# Altium PCB Bus_Adaptor_Hw-v2.2-tvs_tft.PcbDoc (part 2 of 2)
Units mil, origin at the board's own origin, x right, y up, seen from the top; angles counter-clockwise.
Board outline 2005.19 x 1181.26 mil, 4 copper layers (Top Layer, Layer 1, Layer 2, Bottom Layer), stack 23.756 mil thick; 106 components, 118 nets, 571 pads, 403 vias.
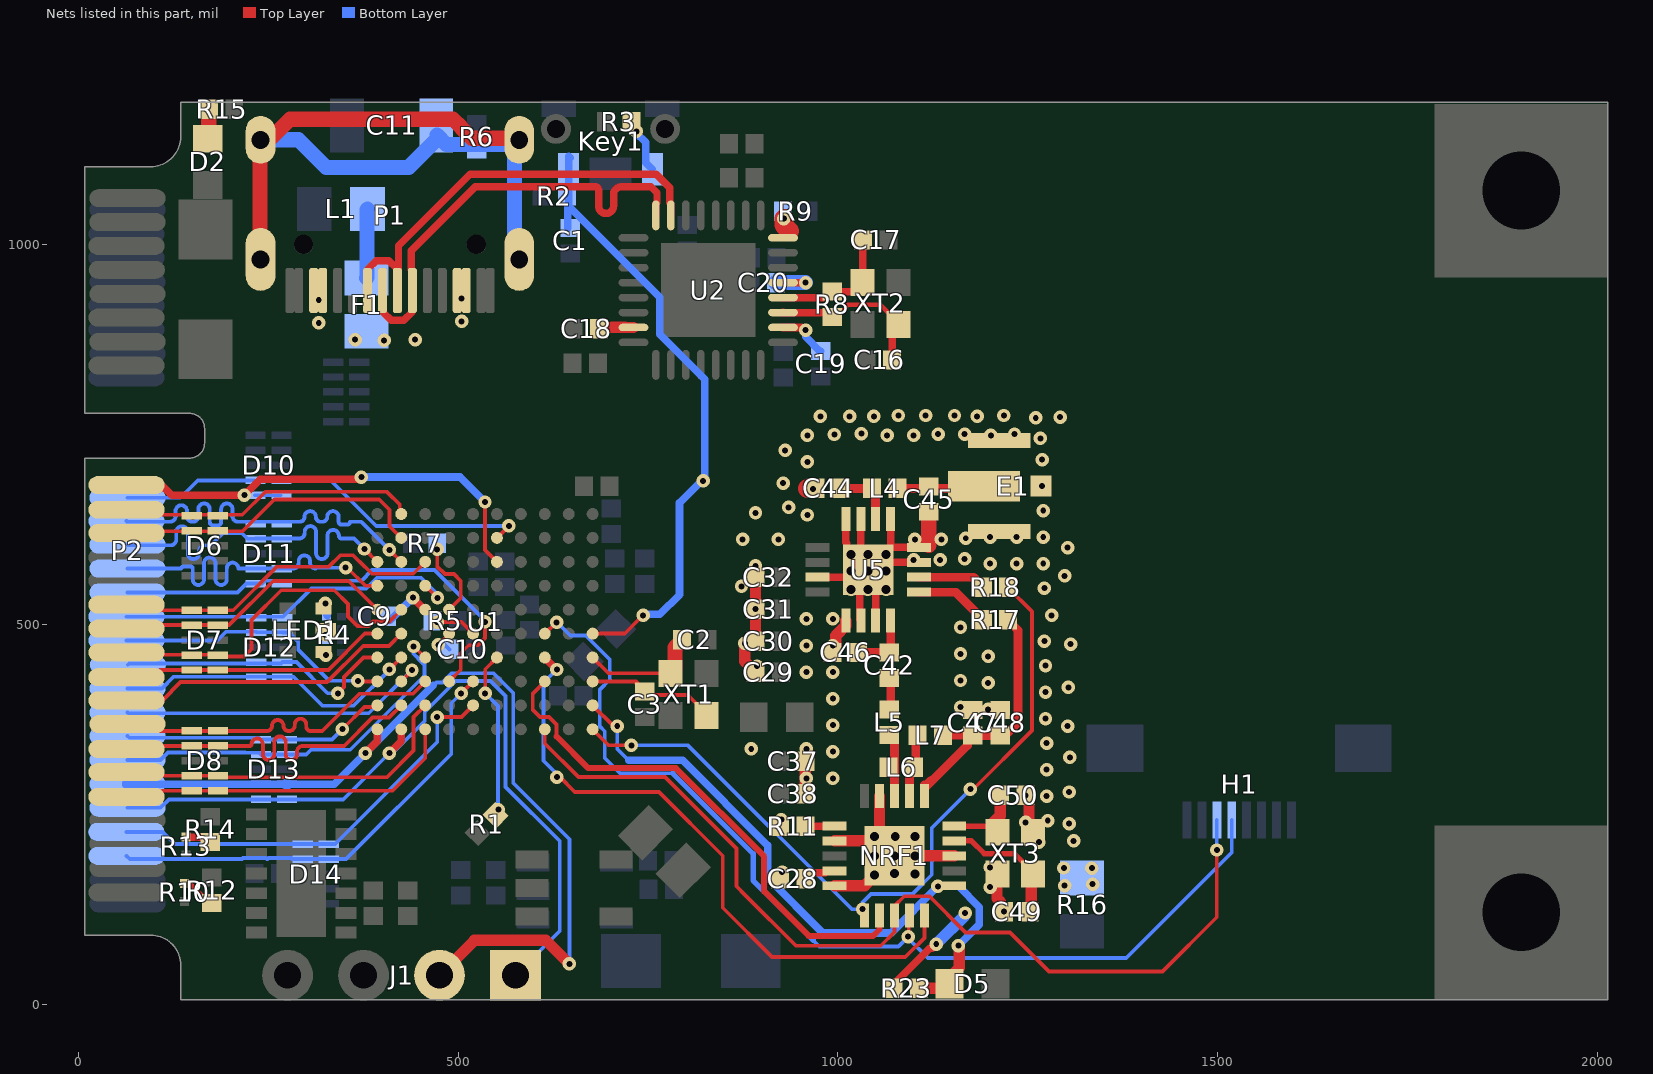
[diagram p4: the nets of this part, all layers, seen from the top]

## Via types
v1: diameter 17.72, hole 7.87, Top Layer to Bottom Layer, tented both sides, 367 vias
v2: diameter 17.72, hole 11.81, Top Layer to Bottom Layer, tented both sides, 36 vias

## Nets (pads, with @x,y where several pads share a name; then routed paths per layer and width w, separated by ;. In a path a pad name is that pad's centre, name@x,y a point inside that pad or via, vN(x,y) a via of type N, cw(c..) or ccw(c..) an arc to the next point about the centre after c; other vN are vias at no path point) (continued)
NetC1_2: C1.2 Key1.2 R2.2 U1.E1 | length 834.5
  Top Layer w5: U1.E1@677.17,488.19 719.4,488.19 v1(743.54,512.33)
  Bottom Layer w5: R2.2@641.54,1062.6 R2.2@643.28,1064.33
  Bottom Layer w10: C1.2@644.54,1022.07 644.54,1050.81 ; Key1.2@647.54,1114.7 645.57,1116.68 Key1.2@645.57,1099.51 645.57,1062.6 645.57,1050.81 765.54,930.83 765.54,882.06 824.54,823.06 824.54,693.33 791.54,660.33 791.54,539.64 765.71,513.81 745.02,513.81 v1(743.54,512.33)
  other v1: 822.5,689.23
NetC2_2: C2.2 U1.D1 XT1.1 | length 161.3
  Top Layer w5: U1.D1@677.17,456.69 697.88,435.97 779.61,435.97 XT1.1@779.92,435.66
  Top Layer w20: XT1.1@779.92,435.66 785.67,441.41 785.67,469.98 C2.2@794.96,479.27
NetC3_2: C3.2 U1.C1 XT1.3 | length 186.1
  Top Layer w5: U1.C1@677.17,425.2 732.41,425.2 C3.2@745.54,412.07 ; 734.54,425.2 746.61,413.13 752.41,407.33 802.35,407.33 827.16,382.52 XT1.3@827.16,380.55
NetC9_1: C9.1 U1.F8 | length 64.8
  Top Layer w10: v1(440.56,535.43) 456.31,519.69 U1.F8@456.69,519.69
  Bottom Layer w10: C9.1@410.68,505.93 440.18,535.43 v1(440.56,535.43)
NetC10_2: C10.2 U1.E7 | length 33.9
  Top Layer w5: v1@477.89,477.51 488.19,487.81 U1.E7@488.19,488.19
  Bottom Layer w5: v1(474.12,473.36) 478.51,473.36 480.65,471.22 482.79,473.36 484.14,472 C10.2@488.81,467.33
NetC11_2: C11.2 P1.1 P1.2 P1.3 P1.4 R6.2 | length 1104.8
  Top Layer w20: P1.4@239.28,953.07 P1.1@239.28,1142.33 ; P1.1@239.99,1138.33 239.99,1126.69 278.63,1165.33 493.38,1165.33 503.69,1155.03 503.69,1154.45 517.66,1140.47 578.4,1140.47 P1.2@580.54,1138.33 587.04,1144.83 P1.2@584.41,1147.46
  Bottom Layer w20: P1.1@239.99,1138.33 289.99,1138.33 326.42,1101.9 434.96,1101.9 472.21,1139.14 472.21,1144.5 484.45,1132.25 574.46,1132.25 P1.3@574.46,984.77
NetC16_2: C16.2 R8.1 U2.27 XT2.1 | length 223.2
  Top Layer w6: R8.1@992.68,904.86 1001.5,913.67 1006.04,913.67 1013.38,921.01 1055.94,921.01 1079.68,897.27 XT2.1@1079.68,895.3
  Top Layer w10: U2.27@927.79,910.91 927.87,910.83 986.71,910.83 R8.1@992.68,904.86 ; C16.2@1071.42,848.44 1071.42,887.03 XT2.1@1079.68,895.3
NetC17_2: C17.2 R8.2 U2.28 XT2.3 | length 169.9
  Top Layer w10: U2.28@927.79,930.6 983.98,930.6 991.7,938.32 R8.2@992.68,938.32 1021.7,938.32 1032.44,949.07 XT2.3@1032.44,950.42 1032.95,950.92 C17.2@1032.95,1006.42
NetC18_2: C18.2 U2.15 | length 46.4
  Top Layer w5: C18.2@685.54,889.33 C18.2@687.44,891.23
  Top Layer w15: C18.2@687.44,891.23 702.89,891.23 703.12,891.46 719.69,891.46 719.93,891.23 U2.15@730.94,891.23
NetC19_2: C19.2 U2.26 | length 67.7
  Top Layer w10: U2.26@927.79,891.23 927.87,891.15 952.16,891.15 955.46,887.86 v1(957.54,887.86)
  Bottom Layer w10: v1(957.54,887.86) 957.54,878.89 976.37,860.07 C19.2@977.35,860.07
NetC20_2: C20.2 U2.29 | length 69
  Top Layer w10: U2.29@927.79,950.28 v1@957.52,950.31
  Bottom Layer w20: C20.2@918.28,950.33 v1(957.54,950.33)
NetC28_1: C28.1 NRF1.19 | length 43.5
  Top Layer w10: C28.1@957.28,165.33 957.28,166.32 964.09,173.13 983.18,173.13 985.96,175.91 NRF1.19@995.8,175.91
NetC42_1: C42.1 C46.2 U5.4 | length 83.4
  Top Layer w11.55: C46.2@1028.28,463.59 1028.41,463.46 1069.41,463.46 1069.54,463.33 U5.4@1069.54,505.33
NetC42_2: C42.2 L5.2 | length 41.9
  Top Layer w11.55: L5.2@1068.54,388.33 1069.54,389.33 C42.2@1069.54,429.86
NetC44_2: C44.2 L4.1 U5.10 | length 82.8
  Top Layer w11.55: C44.2@1004.28,679.33 L4.1@1044.81,679.33 1049.73,674.42 1049.73,639.32 U5.10@1049.86,639.19
NetC45_2: C45.2 E1.1 L4.2 | length 115.5
  Top Layer w11.55: L4.2@1078.28,679.33 1189.54,679.33 E1.1@1192.54,682.33
NetC47_2: C47.2 C48.2 L7.2 NRF1.11 R17.2 | length 369.5
  Top Layer w11.55: NRF1.11@1113.91,274.33 NRF1.11@1113.91,284.18 ; 1122.86,295.07 1116.55,288.76 1113.91,288.76 NRF1.11@1113.91,284.18 ; L7.2@1138.28,354.59 1138.64,354.23 1177.18,354.23 C47.2@1177.54,353.86 ; R17.2@1224.28,506.33 1224.28,505.35 1237.11,492.51 1237.11,371.05 1219.92,353.86 C48.2@1213.54,353.86 C47.2@1177.54,353.86 ; NRF1.11@1113.91,284.18 1170.52,340.79 1170.52,347.83 1176.56,353.86 C47.2@1177.54,353.86
NetC49_2: C49.2 NRF1.9 XT3.1 | length 174.6
  Top Layer w7: NRF1.9@1153.28,215.28 1175.87,215.28 1192.81,198.33 1232.39,198.33 1257.16,173.56 XT3.1@1257.16,171.59
  Top Layer w15: C49.2@1252.28,122.15 1254.72,124.59 1254.72,169.15 XT3.1@1257.16,171.59
NetC50_2: C50.2 NRF1.10 XT3.3 | length 103.9
  Top Layer w7: NRF1.10@1153.28,234.96 1153.54,234.71 1209.92,234.71 XT3.3@1209.92,226.71
  Top Layer w15: XT3.3@1204.92,239.71 1213.81,248.6 C50.2@1213.81,275.15
NetD2_A: D2.A R15.2 | length 39.2
  Top Layer w10: D2.A@170.54,1139.65 D2.A@171.81,1140.92
  Top Layer w20: D2.A@171.81,1140.92 R15.2@171.81,1178.33
NetF1_1: F1.1 L1.2 | length 91.5
  Bottom Layer w20: F1.1@379.54,956.37 380.14,956.96 380.14,1046.74 L1.2@380.73,1047.33
NetF1_2: F1.2 P1.A4 P1.A9 P1.B4 P1.B9
  other v1: 402.54,874.33 364.54,875.33 443.54,875.33 316.54,897.33 504.54,899.33 316.54,927.33 504.54,929.33
NetKey1_1: Key1.1 R3.1 | length 74.2
  Top Layer w10: R3.1@728.28,1162.33 733.22,1157.39 733.22,1150.81 v1(734.7,1149.33)
  Bottom Layer w10: v1(734.7,1149.33) 734.7,1147.24 747.02,1134.92 747.02,1108.29 Key1.1@755.8,1099.51
NetL5_1: L5.1 L6.2 NRF1.13 | length 83
  Top Layer w11.55: L5.1@1068.54,354.86 1074.41,348.99 1074.41,274.47 NRF1.13@1074.54,274.33
NetL6_1: L6.1 L7.1 NRF1.12 | length 85.7
  Top Layer w11.55: NRF1.12@1094.23,274.33 1094.23,303.49 1102.28,311.54 L6.1@1102.28,312.52 ; L6.1@1100.28,312.33 1102.54,314.6 1102.54,352.33 L7.1@1104.81,354.59
NetLED1_1: LED1.1 R4.4 | length 33.8
  Top Layer w5: LED1.1@325.4,519.88 322.83,522.44 325.4,525.01 v1(325.4,527.98)
  Bottom Layer w10: v1(325.4,527.98) 325.4,518.06 327.86,520.52 R4.4@327.86,512.77 ; R4.4@327.86,512.77 327.86,512.07 327.17,512.77 R4.4@327.86,512.77
NetLED1_3: LED1.3 R4.2 R4.3
  other v1: 325.54,486.33
NetLED1_5: LED1.5 R4.1
  other v1: 325.79,459.96
NetNRF1_16: NRF1.16 R11.1 | length 38.8
  Top Layer w10: R11.1@957.28,234.33 957.59,234.65 995.49,234.65 NRF1.16@995.8,234.96
NetR1_2: R1.2 U1.D5 | length 213.8
  Top Layer w5: v1(535.69,409.59) 535.69,441.2 U1.D5@551.18,456.69
  Bottom Layer w5: v1(535.69,409.59) 552.54,392.74 552.54,256.93 v1(553.01,256.46)
NetR5_2: R5.2 U1.E6 | length 53.6
  Top Layer w5: v1(472.54,503.33) 472.77,503.56 504.31,503.56 U1.E6@519.69,488.19
NetR7_2: R7.2 U1.F7 | length 105.8
  Top Layer w5: v1(472.44,599.19) 472.44,576.68 482.57,566.56 494.56,566.56 503.56,557.55 503.56,535.06 U1.F7@488.19,519.69
NetR9_2: R9.2 U2.32 | length 42.3
  Top Layer w5: U2.32@927.79,1009.34 936.62,1018.16
  Top Layer w25: v1(928.79,1034.67) 928.79,1025.99 936.62,1018.16
  Bottom Layer w5: R9.2@927.81,1044.33 928.79,1043.36 v1(928.79,1034.67)
NetR10_2: R10.2 R12.1 | length 46.6
  Top Layer w7: R10.2@139.54,159.23 146.76,159.23 172.38,133.6 R12.1@175.54,133.6
NetR13_2: R13.2 R14.1 | length 34.8
  Top Layer w5: R14.1@166.81,220.33 R14.1@173.54,213.6
  Top Layer w10: R13.2@141.54,220.33 R14.1@166.81,220.33
NetR17_1: R17.1 U5.5 | length 99.5
  Top Layer w11.55: U5.5@1106.95,542.73 1155.39,542.73 1190.81,507.32 R17.1@1190.81,506.33
NetR18_2: R18.2 U5.6 | length 89.9
  Top Layer w11.55: U5.6@1106.95,562.42 1178.71,562.42 1190.81,550.32 R18.2@1190.81,549.33
PC14: NRF1.1 R18.1 U1.A1 | length 1026.8
  Top Layer w5: U1.A1@677.17,362.2 698.28,341.09 v1(728.04,341.09) ; NRF1.1@1035.17,111.86 NRF1.1@1035.17,116.85 NRF1.1@1038.58,120.26 ; v1(1174.54,283.33) 1178.23,283.33 1255.54,360.65 1255.54,517.08 1224.28,548.35 R18.1@1224.28,549.33
  Bottom Layer w5: v1(728.04,341.09) 802.79,341.09 1018.54,125.33 v1(1032.44,125.33) 1032.44,134.23 1043.54,145.33 1098.28,145.33 1123.54,170.59 1123.54,232.33 v1(1174.54,283.33)
PC15: D5.A NRF1.6 R23.2 U1.B1 | length 874.2
  Top Layer w5: U1.B1@680.14,393.7 U1.B1@677.17,393.7 704.54,366.33 v1(709.54,366.33)
  Top Layer w15: R23.2@1106.95,21.33 1137.23,21.33 1142.23,26.33 1142.23,30.33 1160.04,48.15 1160.04,75.83 v1(1158.54,77.33)
  Bottom Layer w5: v1(709.54,366.33) 709.54,336.45 724.66,321.33
  Bottom Layer w10: 724.66,321.33 795.54,321.33 907.69,209.19 907.69,166.52 980.2,94 1070.21,94 v1(1131.54,155.33) 1159.21,155.33 1186.4,128.14 1186.4,105.19 v1(1158.54,77.33)
RFGND: C28.2 C29.1 C30.1 C31.1 C32.1 C37.1 C38.1 C44.1 C45.1 C46.1 C47.1 C48.1 C49.1 C50.1 E1.2 NRF1.0 NRF1.8 NRF1.14 NRF1.17 NRF1.20 R11.2 R16.1 R23.1 U5.0 U5.1 U5.2 U5.3 U5.7 U5.8 U5.9 U5.11 U5.12 U5.15 XT3.2 XT3.4 | length 1443.1
  Top Layer w10: U5.15@973.09,562.42 U5.0@1027.61,562.42 ; U5.12@1010.49,639.19 1010.49,608.44 1011.55,607.38 1011.55,600.73 U5.0@1030.17,582.1 ; U5.0@1028.89,561.14 1028.89,506.61 U5.2@1030.17,505.33 ; U5.11@1030.17,639.19 U5.0@1030.17,582.1 ; U5.0@1031.08,563.32 U5.0@1040.02,572.26 ; U5.3@1049.86,505.33 1049.86,562.42 U5.0@1040.02,572.26 ; U5.9@1069.54,639.19 U5.0@1069.54,601.79 ; R23.1@1073.48,21.33 1073.48,26.62 1120.87,74.01 1124.22,74.01 v1(1129.54,79.33) ; U5.7@1106.95,582.1 U5.0@1049.86,582.1 ; U5.8@1119.54,604.55 1116.79,601.79 U5.8@1106.95,601.79 U5.0@1069.54,601.79 ; C47.1@1177.54,387.33 1197.89,387.33 C48.1@1213.54,387.33 ; U5.0@1030.17,582.1 U5.0@1040.02,572.26 ; U5.0@1040.02,572.26 U5.0@1049.86,582.1 ; U5.0@1049.86,582.1 U5.0@1069.54,601.79
  Top Layer w15: C29.1@891.81,437.33 877.54,451.6 v1(877.54,475.33) 888.81,475.33 C30.1@891.81,478.33 891.54,478.6 v1(891.54,520.33) 891.54,562.07 C32.1@891.81,562.33 ; R11.2@923.81,234.33 922.54,233.07 921.54,234.07 925.54,238.07 v1(925.54,243.33) ; C38.1@957.28,277.33 C37.1@957.28,320.33 957.43,320.49 957.43,335.18 v1(958.59,336.33) ; C46.1@992.81,463.33 997.12,467.64 997.12,485.31 1010.49,498.68 U5.1@1010.49,505.33 ; NRF1.20@995.8,156.22 1035.17,156.22 v2(1074.54,195.59) ; NRF1.17@995.8,215.28 NRF1.0@1054.86,215.28 ; NRF1.14@1054.86,274.33 NRF1.0@1054.86,215.28 ; NRF1.8@1153.28,195.59 v2(1074.54,195.59) ; XT3.4@1209.92,171.59 1209.92,179.59 1209.5,180.02 1209.5,139.46 1213.81,135.15 ; v1(1247.28,275.15) 1251.59,270.84 1251.59,232.29 XT3.2@1257.16,226.71 ; NRF1.0@1054.86,215.28 v2(1074.54,195.59)
  Top Layer w20: U5.8@1119.54,604.55 C45.1@1119.54,648.6
  Top Layer w25: C44.1@959.98,679.33 C44.1@970.81,679.33
  Bottom Layer w15: v1(1129.54,79.33) 1167.02,116.81 1167.02,119.81 v1(1167.54,120.33)
  other v1: 1218.81,122.15 1200.54,154.33 1298.54,156.33 1335.54,158.33 926.54,174.33 1297.54,179.59 1334.54,179.33 1200.54,180.33 1264.54,213.6 1310.54,215.33 1304.54,238.07 1247.28,239.71 1276.35,242.02 1274.87,274.14 1304.54,279.63 958.54,297.7 993.5,297.7 1274.87,309.1 1305.54,325.33 993.5,332.66 885.97,336.29 1274.87,344.06 1302.54,366.33 993.5,367.62 1273.39,376.17 1197.89,388.33 1161.49,391.49 993.5,402.58 1273.39,411.14 1303.54,417.33 1197.89,423.29 1161.49,426.45 958.54,437.54 993.5,437.54 893.54,445.33 1273.39,446.1 1197.89,458.25 1161.49,461.41 958.54,472.5 993.5,472.5 1306.54,474.33 1271.91,478.21 1161.49,496.37 958.54,507.46 993.5,507.46 1281.54,512.33 1271.91,548.14 873.14,550.32 1298.54,564.33 891.54,577.29 1200.5,580.25 1235.47,580.25 1270.43,580.25 1099.83,585.21 1134.79,585.21 1166.91,586.69 1302.54,601.33 874.54,612.33 921.54,612.25 1101.31,612.25 1136.27,612.25 1168.39,613.73 1200.5,615.21 1235.47,615.21 1270.43,615.21 959.98,644.37 891.54,647.21 1270.43,650.17 935.29,654.33 967.54,678.49 1268.95,682.29 927.87,686.33 959.98,714.29 1268.95,717.25 930.54,729.33 1266.54,745.33 959.98,749.25 1064.87,749.25 1099.83,749.25 1201.39,749.25 995.54,750.33 1131.95,750.73 1166.91,750.73 1232.54,750.73 1031.08,751.33 1260.54,772.33 1292.54,773.33 977.04,774.33 1015.54,774.33 1047.54,774.33 1183.23,774.33 1079.54,775.33 1115.54,775.33 1153.54,775.33 1218.54,775.33
  other v2: 1048.54,170.33 1101.54,171.73 1074.54,172.33 1048.54,195.33 1101.54,195.33 1048.54,221.33 1075.54,221.04 1101.54,221.33 1017.54,546.33 1039.54,546.33 1063.64,546.33 1017.54,570.33 1039.54,570.33 1063.54,570.33 1017.54,592.6 1039.54,592.6 1063.64,592.6
SPI2_MISO: D11.4 D11.7 P2.22 U1.H10 | length 504.6
  Top Layer w5: v1@376.74,599.59 U1.H10@393.7,582.68
  Bottom Layer w5: P2.22@64.68,605.27 65.4,604.55 121.54,604.55 ccw(c121.54,612.05) 129.04,612.05 129.04,622.12 cw(c136.54,622.12) 136.54,629.62 cw(c136.54,622.12) 144.04,622.12 144.04,604.55 144.04,593.77 ccw(c151.54,593.77) 151.54,586.27 ccw(c151.54,593.77) 159.04,593.77 159.04,597.05 cw(c166.54,597.05) 166.54,604.55 174.04,604.55 174.72,604.55 190.86,620.69 215.19,620.69 222.85,613.02 D11.4@233.42,613.02 ; D11.4@233.42,613.33 260.54,613.33 268.04,613.33 283.04,613.33 290.54,613.33 ccw(c290.54,620.83) 298.04,620.83 298.04,622.19 cw(c305.54,622.19) 305.54,629.69 cw(c305.54,622.19) 313.04,622.19 313.04,613.33 313.04,593.77 ccw(c320.54,593.77) 320.54,586.27 ccw(c320.54,593.77) 328.04,593.77 328.04,613.33 328.04,617.2 cw(c335.54,617.2) 335.54,624.7 cw(c335.54,617.2) 343.04,617.2 ccw(c346.91,617.2) 346.91,613.33 358.04,613.33 362.95,613.33 v1(376.69,599.59)
SPI2_MOSI: D11.2 D11.9 P2.24 U1.G10 | length 470.1
  Top Layer w5: v1(352,575) 354.13,575 377.95,551.18 U1.G10@393.7,551.18
  Bottom Layer w5: P2.24@64.68,573.77 128.04,573.77 135.54,573.77 cw(c138.41,573.77) 138.41,576.64 147.67,576.64 cw(c147.67,573.77) 150.54,573.77 150.54,559.77 ccw(c158.04,559.77) 158.04,552.27 ccw(c158.04,559.77) 165.54,559.77 165.54,573.77 165.54,581.01 cw(c173.04,581.01) 173.04,588.51 cw(c173.04,581.01) 180.54,581.01 180.54,573.77 180.54,559.77 ccw(c188.04,559.77) 188.04,552.27 ccw(c188.04,559.77) 195.54,559.77 195.54,573.77 195.54,574.13 cw(c203.04,574.13) 203.04,581.63 cw(c203.04,574.13) 210.54,574.13 210.54,573.77 225.54,573.77 240.54,573.77 251.54,573.77 282.67,573.77 ccw(c282.67,581.27) 290.17,581.27 290.17,583.69 cw(c297.67,583.69) 297.67,591.19 cw(c297.67,583.69) 305.17,583.69 305.17,581.27 ccw(c312.67,581.27) 312.67,573.77 313.9,575 v1(352,575)
SPI2_NSS: D11.5 D11.6 P2.20 U1.H9 | length 536.6
  Top Layer w5: v1(409.55,598.42) 425.2,582.77 U1.H9@425.2,582.68
  Bottom Layer w5: P2.20@63.53,636.49 64.69,635.33 120.54,635.33 ccw(c120.54,642.83) 128.04,642.83 128.04,649.66 cw(c135.54,649.66) 135.54,657.16 cw(c135.54,649.66) 143.04,649.66 143.04,642.83 ccw(c150.54,642.83) 150.54,635.33 ccw(c150.54,642.83) 158.04,642.83 158.04,651.97 cw(c165.54,651.97) 165.54,659.47 cw(c165.54,651.97) 173.04,651.97 173.04,635.33 ccw(c177.69,635.33) 177.69,630.69 183.4,630.69 ccw(c183.4,635.33) 188.04,635.33 188.04,651.97 cw(c195.54,651.97) 195.54,659.47 cw(c195.54,651.97) 203.04,651.97 203.04,642.83 ccw(c210.54,642.83) 210.54,635.33 218.04,635.33 220.54,635.33 279.54,635.33 282.73,635.33 291.09,635.33 ccw(c291.09,641.97) 297.73,641.97 cw(c305.23,641.97) 305.23,649.47 cw(c305.23,641.97) 312.73,641.97 ccw(c319.37,641.97) 319.37,635.33 321.09,635.33 ccw(c321.09,641.97) 327.73,641.97 cw(c335.23,641.97) 335.23,649.47 cw(c335.23,641.97) 342.73,641.97 342.73,635.33 ccw(c346.33,635.33) 346.33,631.73 354.13,631.73 ccw(c354.13,635.33) 357.73,635.33 365.23,635.33 372.64,635.33 v1(409.55,598.42)
SPI2_SCK: D11.1 D11.10 P2.26 U1.C7 | length 617.3
  Top Layer w5: U1.C7@488.19,425.2 503.56,440.57 503.56,462.31 514.07,472.81 526.05,472.81 535.43,482.19 v1(535.43,503.67)
  Bottom Layer w5: P2.26@64.68,542.27 209.57,542.27 221.26,553.96 D11.1@233.42,553.96 241.88,553.96 245.57,557.65 372.65,557.65 386.79,571.79 469.03,571.79 535.43,505.39 v1(535.43,503.67)
SPI3_MISO: D8.2 D8.9 P2.41 U1.B8 | length 461.1
  Top Layer w5: P2.41@63.53,305.78 68.35,300.96 D8.9@149.54,300.96 D8.2@183.79,300.96 185.78,298.97 406.22,298.97 441.32,334.08 441.32,378.33 U1.B8@456.69,393.7
SPI3_MOSI: D8.5 D8.6 P2.37 U1.C8 | length 459.5
  Top Layer w5: P2.37@64.68,369.05 91.51,369.05 100.54,360.01 D8.6@149.54,360.01 D8.5@183.79,360.01 247.54,360.01 248.11,360.01 ccw(c248.11,366.95) 255.04,366.95 cw(c262.54,366.95) 262.54,374.45 cw(c262.54,366.95) 270.04,366.95 ccw(c276.98,366.95) 276.98,360.01 277.54,360.01 ccw(c277.54,367.51) 285.04,367.51 285.04,368.68 cw(c292.54,368.68) 292.54,376.18 cw(c292.54,368.68) 300.04,368.68 300.04,365.51 ccw(c305.54,365.51) 305.54,360.01 321.09,360.01 370.15,409.07 440.57,409.07 U1.C8@456.69,425.2
SPI3_NSS: D8.1 D8.10 P2.43 U1.A8 | length 452.3
  Top Layer w5: P2.43@63.53,273.3 87.42,273.3 95.4,281.27 D8.10@149.54,281.27 D8.1@183.79,281.27 413.79,281.27 456.69,324.18 U1.A8@456.69,362.2
SPI3_SCK: D8.4 D8.7 P2.39 U1.B9 | length 474
  Top Layer w5: P2.39@63.53,336.29 101.5,336.29 105.54,340.33 D8.7@149.54,340.33 220.47,340.33 225.79,340.33 ccw(c225.79,342.51) 227.97,342.51 cw(c235.47,342.51) 235.47,350.01 cw(c235.47,342.51) 242.97,342.51 242.97,340.33 242.97,329.33 ccw(c250.47,329.33) 250.47,321.83 ccw(c250.47,329.33) 257.97,329.33 257.97,340.33 257.97,345.39 cw(c265.47,345.39) 265.47,352.89 cw(c265.47,345.39) 272.97,345.39 272.97,340.33 272.97,329.33 ccw(c280.47,329.33) 280.47,321.83 ccw(c280.47,329.33) 287.97,329.33 287.97,332.83 cw(c295.47,332.83) 295.47,340.33 301.54,340.33 350.09,340.33 387.33,377.58 409.07,377.58 U1.B9@425.2,393.7
SPI4_MISO: NRF1.5 U1.D3 | length 833.6
  Top Layer w5: U1.D3@613.9,456.41 U1.D3@614.17,456.69 ; v1@629.37,440.94 v1(629.92,440.94) ; v1(629.92,299.21) 633.98,299.21 653.59,279.6 764.65,279.6 848.54,195.7 848.54,127.2 913.41,62.33 1088.78,62.33 1113.91,87.47 NRF1.5@1113.91,109.47
  Top Layer w10: U1.D3@613.9,456.41 v1@629.37,440.94
  Bottom Layer w5: v1(629.92,299.21) 629.92,303.27 612.5,320.69 612.5,423.52 v1(629.92,440.94)
SPI4_MOSI: H1.4 NRF1.4 U1.E3 | length 1345.6
  Top Layer w5: U1.E3@614.17,488.19 614.55,488.19 629.46,503.09 v1(629.84,503.09) ; v1(1092.54,89.23) 1093.39,90.08 1093.39,116.01 NRF1.4@1094.23,116.85
  Bottom Layer w5: v1(629.84,503.09) 630.12,503.09 647.56,485.65 667.97,485.65 699.65,453.97 699.65,427.36 686.4,414.11 686.4,366.34 693.19,359.55 693.19,324.31 713.17,304.33 782.54,304.33 ; 967.54,84.33 975.54,76.33 1079.64,76.33 v1(1092.54,89.23) 1092.54,87.2 1118.77,60.97 1379.76,60.97 1518.61,199.83 H1.4@1518.61,242.79
  Bottom Layer w7: 782.54,304.33 888.54,198.33 888.54,163.33 967.54,84.33
SPI4_NSS: NRF1.2 U1.C3 | length 681.4
  Top Layer w5: U1.C3@614.17,425.2 598.43,409.45 598.43,387.71 607.81,378.33 619.79,378.33 629.55,368.57 629.55,352.83
  Top Layer w8: 629.55,352.83 671.19,311.19 786.62,311.19 903,194.81 903,148.81 961.48,90.33 1046.54,90.33 1054.86,98.65 NRF1.2@1054.86,116.85
SPI4_SCK: H1.3 NRF1.3 U1.A3 | length 1288.4
  Top Layer w5: U1.A3@614.17,362.2 614.17,343.56 658.4,299.33 772.54,299.33 866.54,205.33 866.54,155.47 878.58,143.43 944.68,77.33 1056.54,77.33 1074.54,95.33 NRF1.3@1074.54,116.85 1074.54,129.43 1087.45,142.33 1120.7,142.33 1168.2,94.83 1226.49,94.83 1277.99,43.33 1427.54,43.33 1498.93,114.72 v1(1498.93,203.28)
  Bottom Layer w5: v1(1498.93,203.28) H1.3@1498.93,242.79
SWCLK: D13.1 D13.10 J1.1 P2.44 U1.A9 | length 1041.7
  Top Layer w10: v1(409.45,330.71) 425.2,346.46 U1.A9@425.2,362.2
  Bottom Layer w5: P2.44@64.68,258.81 108.07,258.81 119.23,269.96 D13.1@240.42,269.96 D13.10@274.67,269.96 348.7,269.96 v1(409.45,330.71) 413.77,330.71 456.19,373.13 456.19,385.11 497.03,425.95 542.47,425.95 562.54,405.88 562.54,286.33 633.86,215.02 633.86,96.65 J1.1@575.54,38.33
SWDIO: D13.2 D13.9 J1.2 P2.42 U1.A10 | length 1207.7
  Top Layer w10: v1(377.95,330.74) 393.7,346.49 U1.A10@393.7,362.2
  Top Layer w15: J1.2@475.54,38.33 521.51,84.3 615.58,84.3 v1(646.54,53.33)
  Bottom Layer w5: 467.54,420.33 471.2,423.97 479.32,423.97 491.3,435.95 546.61,435.95 572.54,410.02 572.54,291.33 646.54,217.33 v1(646.54,53.33)
  Bottom Layer w10: P2.42@65.01,289.98 240.42,289.98 D13.9@274.34,289.98 ; D13.9@274.67,289.65 336.86,289.65 v1(377.95,330.74) 467.54,420.33
  Bottom Layer w15: P2.42@64.68,290.31 P2.42@65.01,289.98 ; D13.9@274.34,289.98 D13.9@274.67,289.65
TIM1_CH1: D12.1 D12.10 P2.34 U1.D9 | length 409.6
  Top Layer w5: v1(409.55,441.05) U1.D9@425.2,456.69
  Bottom Layer w5: P2.34@64.68,415.75 109.96,415.75 125.72,431.51 234.29,431.51 268.54,431.51 282.99,431.51 321.27,393.24 362.37,393.24 409.55,440.42 v1(409.55,441.05)
TIM1_CH2: P2.36 U1.C9 | length 419.4
  Top Layer w5: U1.C9@425.2,425.2 425.2,425.58 439.34,439.72 v1(439.34,440.11)
  Bottom Layer w5: P2.36@64.68,384.25 65.7,383.24 382.47,383.24 v1(439.34,440.11)
TIM1_CH3: D12.2 D12.9 P2.32 U1.D10 | length 374.2
  Top Layer w5: v1(341.66,409.59) 349.74,417.68 349.74,430.88 375.56,456.69 U1.D10@393.7,456.69
  Bottom Layer w5: P2.32@65.2,447.12 66.97,448.89 266.9,448.89 268.67,450.65 287.22,450.65 328.28,409.59 v1(341.66,409.59)
TIM1_CH4: D12.4 D12.7 P2.30 U1.C10 | length 369.1
  Top Layer w5: v1(368,426) 370,426 371,427 372.8,425.2 U1.C10@393.7,425.2
  Bottom Layer w5: P2.30@63.53,479.01 182.65,479.01 194.33,490.69 233.75,490.69 234.42,490.02 D12.7@268.54,490.02 ; D12.7@268.54,489.65 277.77,489.65 289.43,477.99 289.43,467.27 330.7,426 v1(368,426)
TIM3_CH1: D7.4 D7.7 P2.29 U1.F10 | length 371.8
  Top Layer w5: P2.29@63.53,494.76 68.1,499.33 D7.7@149.29,499.33 D7.4@183.54,499.33 198.51,499.33 256.59,557.41 355.97,557.41 U1.F10@393.7,519.69
TIM3_CH2: D7.1 D7.10 P2.33 U1.E10 | length 354
  Top Layer w5: P2.33@63.53,430.78 98.05,430.78 107.54,440.27 D7.10@149.29,440.27 329.23,440.27 377.15,488.19 U1.E10@393.7,488.19
TIM3_CH3: D7.2 D7.9 P2.31 U1.F9 | length 459.2
  Top Layer w5: P2.31@63.53,460.33 149.29,460.33 D7.2@183.54,460.33 ; D7.2@183.54,459.96 185.53,457.97 218.32,457.97 227.9,467.56 227.9,505.99 267.22,545.31 337.04,545.31 355.19,527.17 355.19,510.56 367.41,498.33 382.1,498.33 388.08,504.31 409.82,504.31 U1.F9@425.2,519.69
TIM3_CH4: P2.35 U1.E9 | length 398.1
  Top Layer w5: P2.35@63.53,400.27 110.62,400.27 134.68,424.33 327.43,424.33 375.17,472.07 409.07,472.07 U1.E9@425.2,488.19
TIM4_CH3: D7.5 D7.6 P2.27 U1.H8 | length 442.8
  Top Layer w5: P2.27@63.53,526.25 70.77,519.01 D7.6@149.29,519.01 D7.5@183.54,519.01 204.05,519.01 261.37,576.33 330.2,576.33 345.22,591.36 361.79,591.36 376.82,576.33 377.19,576.33 386.6,566.93 440.94,566.93 U1.H8@456.69,582.68
TIM4_CH4: D12.5 D12.6 P2.28 U1.G8 | length 467.6
  Top Layer w5: U1.G8@456.69,551.18 456.69,551.54 456.87,551.36 v1(472.9,535.33)
  Bottom Layer w5: P2.28@63.53,510.5 269.71,510.5 306.86,547.65 379.05,547.65 393.19,561.79 451.1,561.79 472.9,539.99 v1(472.9,535.33)
UART4_RX: D13.4 D13.7 P2.40 U1.D8 | length 499.7
  Top Layer w5: v1@445.55,467.67 456.53,456.69 U1.D8@456.69,456.69
  Bottom Layer w5: P2.40@64.68,321.8 108.11,321.8 118,331.69 219.32,331.69 219.57,331.44 238,331.44 D13.4@240.42,329.02 D13.7@274.67,329.02 300.1,329.02 306.41,335.33 358.09,335.33 455.46,432.7 455.07,432.7 455.7,433.33 455.7,446.88 447.76,454.82 447.76,455.2 441.4,461.56 v1(441.4,471.22)
UART4_TX: D13.5 D13.6 P2.38 U1.B10 | length 351.3
  Top Layer w5: v1(347.54,362.33) 376.86,391.64 391.64,391.64 U1.B10@393.7,393.7
  Bottom Layer w5: P2.38@64.68,353.3 66.98,351 238.12,351 D13.5@240.42,348.7 D13.6@274.67,348.7 333.91,348.7 344.54,359.33 344.54,362.33 v1(347.54,362.33)
UART7_RX: D10.1 D10.10 P2.17 U1.H5 | length 622.1
  Top Layer w5: v1@372.54,691.33 v1(372.54,694.33) ; v1(535.45,661.44) 535.45,598.41 U1.H5@551.18,582.68
  Top Layer w10: P2.17@63.53,683.73 109.79,683.73 122.93,670.59 v1(218.54,670.59) 239.28,691.33 v1@372.54,691.33
  Bottom Layer w5: D10.1@232.29,670.27 D10.10@266.54,670.27
  Bottom Layer w10: v1(372.54,694.33) 502.56,694.33 v1(535.45,661.44)
UART7_TX: D10.2 D10.9 P2.18 U1.J5 | length 558.8
  Top Layer w5: U1.J5@551.18,614.17 v1(566.93,629.92)
  Bottom Layer w5: P2.18@64.68,667.12 134.33,667.12 157.17,689.96 233.29,689.96 267.54,689.96 332.24,689.96 392.28,629.92 v1(566.93,629.92)
USART2_RX: D14.4 D14.7 P2.48 U1.C6 | length 596
  Top Layer w5: v1(503.94,409.45) U1.C6@519.69,425.2
  Bottom Layer w5: P2.48@63.53,195.55 67.74,191.33 215.6,191.33 216.89,192.63 246.73,192.63 248.02,191.33 249.06,191.33 250.36,192.63 280.19,192.63 281.49,191.33 D14.4@295.54,191.33 D14.7@329.79,191.33 352.54,191.33 491.04,329.83 491.04,396.56 v1(503.94,409.45)
USART2_TX: D14.5 D14.6 P2.46 U1.B6 | length 558.2
  Top Layer w5: v1(472.54,378.33) 504.31,378.33 U1.B6@519.69,393.7
  Bottom Layer w5: P2.46@63.19,227.12 110.76,227.12 126.86,211.01 D14.5@295.54,211.01 338.26,211.01 472.54,345.3 v1(472.54,378.33)
USART3_RX: D6.4 D6.7 P2.21 U1.J9 | length 413.7
  Top Layer w5: P2.21@63.53,620.74 65.67,622.88 149.29,622.88 183.54,622.88 216.09,622.88 258.04,664.83 396.28,664.83 409.82,651.29 409.82,629.55 U1.J9@425.2,614.17
USART3_TX: D6.5 D6.6 P2.19 U1.K9 | length 395
  Top Layer w5: P2.19@63.53,651.25 93.46,651.25 100.01,644.7 149.29,644.7 183.54,644.7 215.91,644.7 246.04,674.83 406.32,674.83 423.14,658.01 423.14,647.73 U1.K9@425.2,645.67
USB_N: P1.A7 P1.B7 U2.8 | length 604.9
  Top Layer w9.72: P1.A7@400.43,939.91 401.47,938.86 401.47,910.9 411.85,900.52 428.37,900.52 438.75,910.9 438.75,938.86 P1.B7@439.8,939.91 438.75,940.95 438.75,966.66 438.32,967.09 438.32,992.11 522.54,1076.33 680.54,1076.33 cw(c680.54,1071.89) 684.99,1071.89 684.99,1051.2 ccw(c694.85,1051.2) 694.85,1041.33 ccw(c694.85,1051.2) 704.71,1051.2 704.71,1066.47 cw(c714.57,1066.47) 714.57,1076.33 724.43,1076.33 744.16,1076.33 754.02,1076.33 761.94,1068.41 761.94,1055.14 760.47,1053.66 U2.8@760.47,1038.86
USB_P: P1.A6 P1.B6 U2.7 | length 605
  Top Layer w9.72: P1.B6@380.74,939.91 381.78,940.95 381.78,968.92 392.16,979.3 408.69,979.3 419.07,968.92 419.07,940.95 P1.A6@420.11,939.91 421.15,940.95 421.15,966.66 421.59,967.09 421.59,999.04 515.61,1093.07 760.95,1093.07 778.67,1075.34 778.67,1055.14 780.15,1053.66 U2.7@780.15,1038.86
pads on no net: Key1. P1. P1.A5 P1.A8 P1.B5 P1.B8 P2.7 P2.9 R4.7 U1.B7 U1.D6 U1.G4 U1.G5 U1.G6 U1.G7 U1.H4 U1.H6 U1.H7 U1.J6 U1.K5 U1.K6 U2.3 U2.5 U2.10 U4.4 U5.13 U6.4

## Polygon pours and split planes (outlines as drawn)
GND on Top Layer "Top Layer-GND 1" (solid, remove dead copper, pour order 38): 426.51,254.95 426.51,188.3 454.54,216.33 478.19,216.33 508.54,246.69 516.81,254.95 842.54,254.95 842.54,-3.67 134.68,11.33 134.68,253.81 133.54,254.95
GND on Top Layer "Top Layer-GND 2" (solid, remove dead copper, pour order 36): 837.54,331.33 675.18,331.33 675.18,546.91 837.54,697.11
GND on Top Layer "Top Layer-GND 3" (solid, remove dead copper, pour order 34): 831.54,1094.33 831.54,1187.67 1168.39,1187.67 1168.39,801.33 914.54,801.33 882.54,833.33 602.54,833.33 602.54,930.71 671.17,999.33 829.91,999.33 830.54,998.7
RFGND on Top Layer "Top Layer-RFGND" (solid, remove dead copper, pour order 32): 1215.54,787.33 938.54,787.33 851.54,700.33 851.54,286.33 907.54,230.33 907.54,161.33 905.54,161.33 918.54,148.33 1343.54,148.33 1343.54,764.33 1320.54,787.33
3.3VRF on Top Layer "Top Layer-3.3VRF" (solid, remove dead copper, pour order 28): 686.28,179.59 731.8,179.59 791.36,239.15 759.66,270.84 702.17,270.84 686.28,254.95
NetF1_2 on Top Layer "Top Layer-NetF1_2" (solid, remove dead copper, pour order 8): 302.54,968.33 330.54,968.33 330.54,905.42 355.63,880.33 469.46,880.33 491.54,902.42 491.54,968.33 519.54,968.33 519.54,877.83 479.05,837.33 343.63,837.33 302.54,878.42
5V on Top Layer "Top Layer-5V" (solid, remove dead copper, pour order 6): 193.08,986.8 210.54,1004.26 210.54,1076.33 187.54,1099.33 8.54,1099.33 8.54,987.33
GND on Top Layer "Top Layer-GND" (solid, remove dead copper, pour order 4): 7.54,733.33 470.54,733.33 568.54,831.33 568.54,968.33 523.54,968.33 523.54,867.33 477.54,821.33 334.54,821.33 296.78,859.1 296.78,968.33 257.54,968.33 257.54,915.33 7.54,915.33
GND on Bottom Layer "Bottom Layer-GND 2" (solid, remove dead copper, pour order 48): 617.55,6.38 617.55,191.37 640.54,214.36 642.57,212.33 787.54,212.33 787.54,15.38 795.54,7.38 1007.54,7.38 1007.54,44.33 1016.54,53.33 805.21,264.67 268.77,264.67 144.54,140.44 144.54,3.83
GND on Bottom Layer "Bottom Layer-GND 3" (solid, remove dead copper, pour order 44): 1168.39,801.33 1167.39,800.33 690.54,800.33 620.54,870.33 620.54,1195.33 1151.54,1195.33 1166.54,1180.33
RFGND on Bottom Layer "Bottom Layer-RFGND" (solid, remove dead copper, pour order 42): 853.54,309.1 851.54,311.1 851.54,700.33 947.54,796.33 1365.54,796.33 1367.54,794.33 1367.54,139.33 859.54,139.33 857.54,137.33
3.3VRF on Bottom Layer "Bottom Layer-3.3VRF" (solid, remove dead copper, pour order 30): 713.69,208.33 712.89,277.33 784.39,277.33 784.39,208.33
GND on Bottom Layer "Bottom Layer-GND" (solid, remove dead copper, pour order 26): 772.54,139.33 767.54,144.33 767.54,197.33 771.54,201.33 818.54,201.33 818.54,139.33
3.3V on Bottom Layer "Bottom Layer-3.3V" (solid, remove dead copper, pour order 22): 688.57,94 688.54,56.33 767.54,56.33 767.54,123.33 766.54,124.33 766.54,200.33 767.54,201.33 734.54,201.33 734.54,149.33 707.54,122.33 688.58,122.33
GND on Bottom Layer "Bottom Layer-GND 1" (solid, remove dead copper, pour order 20): 491.04,126.24 511.95,105.33 546.54,105.33 572.54,131.33 621.54,131.33 621.54,161.33 620.54,162.33 619.54,161.33 496.04,161.33 491.04,156.33
5V on Bottom Layer "Bottom Layer-5V" (solid, remove dead copper, pour order 18): 490.54,165.33 491.54,164.33 565.54,164.33 576.54,175.33 620.54,175.33 620.54,229.33 569.85,229.33 540.54,203.33 490.54,203.33
5V on Bottom Layer "Bottom Layer-5V 1" (solid, remove dead copper, pour order 16): 14.54,1097.33 15.54,1096.33 15.54,1034.65 272.23,1034.65 289.54,1017.33 335.42,1017.33 335.42,1076.33 315.42,1096.33 14.54,1096.33
NetF1_1 on Bottom Layer "Bottom Layer-NetF1_1" (solid, remove dead copper, pour order 14): 351.92,934.33 352.92,933.33 408.34,933.33 408.34,1079.33 351.92,1079.33 351.92,935.33
GND on Layer 1 (split plane): 1993.8,26.51 154.78,26.51 154.78,51.84 154.77,51.92 154.4,58.5 153.29,65.08 151.44,71.48 148.89,77.65 145.66,83.48 141.81,88.92 137.36,93.89 132.39,98.34 126.95,102.19 121.11,105.42 114.95,107.97 108.55,109.82 101.97,110.93 95.39,111.3 95.31,111.31 28.8,111.31 28.8,699.07 146.5,699.07 146.85,699.11 151.69,699.42 156.79,700.44 161.72,702.11 166.38,704.41 170.71,707.3 174.62,710.73 178.05,714.64 180.94,718.97 183.24,723.63 184.91,728.56 185.93,733.66 186.24,738.5 186.28,738.85 186.28,758.54 186.24,758.89 185.93,763.73 184.91,768.83 183.24,773.76 180.94,778.42 178.05,782.75 174.62,786.66 170.71,790.09 166.38,792.98 161.72,795.28 156.79,796.95 151.69,797.97 146.85,798.28 146.5,798.32 28.8,798.32 28.8,1082.93 95.31,1082.93 95.39,1082.94 101.97,1083.31 108.55,1084.42 114.95,1086.27 121.11,1088.82 126.95,1092.05 132.39,1095.91 137.36,1100.35 141.81,1105.32 145.66,1110.76 148.89,1116.6 151.44,1122.76 153.29,1129.16 154.4,1135.74 154.77,1142.32 154.78,1142.4 154.78,1167.57 1993.8,1167.57
RFGND on Layer 1 (split plane): 1359.98,755.2 1359.98,150.55 1343.24,133.81 1281.54,133.81 1279.59,133.55 1277.76,132.79 1276.19,131.59 1249.5,104.9 967.68,104.9 859.54,213.03 859.54,687.58 961.35,789.39 1325.79,789.39
3.3V on Layer 2 (split plane): 244 vertices, not listed, extent 158.07,26.51 1371.7,1167.57
5V on Layer 2 (split plane): 229 vertices, not listed, extent 28.8,87.32 1341.98,1167.57
3.3VRF on Layer 2 (split plane): 911.92,362.4 911.93,362.37 911.92,362.33 912.05,361.38 912.16,360.44 912.17,360.41 912.18,360.38 912.54,359.49 912.9,358.61 912.92,358.58 912.93,358.55 913.52,357.79 914.09,357.03 914.12,357.01 914.14,356.98 914.89,356.4 915.65,355.81 915.68,355.8 915.7,355.78 916.58,355.42 917.47,355.04 917.5,355.04 917.53,355.03 918.47,354.9 919.42,354.77 919.45,354.77 919.49,354.77 973.12,354.77 974.08,354.89 975.04,355.01 975.06,355.02 975.08,355.03 975.97,355.39 976.87,355.76 976.88,355.77 976.91,355.78 977.67,356.37 977.67,313.33 1358.78,313.33 1358.78,26.51 807.58,26.51 809.11,194.26 809.09,194.43 809.1,194.6 808.97,195.41 808.87,196.22 808.81,196.38 808.78,196.55 808.44,197.29 808.13,198.06 808.03,198.19 807.96,198.34 807.44,198.98 806.94,199.63 806.81,199.74 806.7,199.87 806.03,200.34 805.39,200.85 805.23,200.92 805.09,201.01 804.32,201.3 803.57,201.62 803.4,201.65 803.24,201.7 802.43,201.78 801.61,201.9 801.45,201.88 801.28,201.89 747.79,200.02 702.27,250.27 702.04,279.21 702.39,343.77 859.54,343.77 861.5,344.03 863.33,344.78 864.89,345.98 866.09,347.55 866.85,349.38 867.11,351.33 867.11,397.83 912.22,397.83
NetF1_2 on Layer 2 (split plane): 303.3,991.98 304.01,991.44 304.7,990.88 304.79,990.84 304.87,990.78 305.69,990.44 306.5,990.08 306.6,990.06 306.69,990.03 307.57,989.91 308.46,989.77 347.35,988.77 347.49,988.79 347.62,988.77 353.41,988.83 358.9,983.45 359.76,899.09 359.76,899.08 359.9,898.12 360.04,897.14 360.04,897.13 360.43,896.22 360.81,895.32 360.82,895.32 360.82,895.31 361.44,894.52 362.03,893.77 362.04,893.76 362.83,893.17 363.61,892.58 363.62,892.58 364.52,892.21 365.44,891.84 365.45,891.84 366.43,891.72 367.4,891.6 367.41,891.61 367.41,891.6 455.68,892.61 456.62,892.74 457.55,892.87 457.59,892.88 457.63,892.89 458.5,893.26 459.38,893.63 459.41,893.65 459.45,893.67 460.2,894.25 460.94,894.83 460.97,894.86 461,894.89 461.57,895.65 462.14,896.4 462.16,896.43 462.18,896.47 462.54,897.35 462.9,898.22 462.9,898.26 462.92,898.3 463.03,899.24 463.16,900.18 463.09,982.24 469.8,988.96 513.66,988.34 516.48,988.3 516.48,866.97 488.41,838.9 327.67,838.9 286.17,877.53 286.19,959.41 286.19,1000.77 294.52,1000.77
3.3VPA on Layer 2 (split plane): 968.84,540.32 968.83,540.31 968.81,540.29 968.23,539.53 967.63,538.76 967.62,538.74 967.61,538.73 967.24,537.83 966.86,536.94 966.86,536.92 966.85,536.9 966.73,535.95 966.6,534.99 965.6,369.9 927.12,369.9 927.42,405.33 927.41,405.36 927.42,405.39 927.29,406.34 927.18,407.29 927.17,407.32 927.16,407.35 926.8,408.24 926.44,409.12 926.42,409.15 926.41,409.18 925.82,409.93 925.25,410.7 925.22,410.72 925.2,410.74 924.45,411.32 923.69,411.91 923.66,411.93 923.64,411.95 922.76,412.31 921.87,412.68 921.84,412.69 921.81,412.7 920.87,412.83 919.92,412.96 919.89,412.95 919.85,412.96 867.11,412.96 867.11,695.15 968.84,796.88

## Other copper
Top Layer:
  pour cut-out: 1035.52,639.18 1035.52,618.44 1063.91,618.44 1063.91,632.33 1253.54,632.33 1253.54,745.33 970.81,745.33 970.81,639.32
  pour cut-out: 1004.28,505.35 1049.84,505.35 1106.95,562.42 1148.54,562.42 1148.54,379.95 1148.54,371.74 1124.22,371.74 1123.54,275.33 1123.54,274.33 1004.28,274.33
Bottom Layer:
  pour cut-out: 1006.54,288.33 1151.54,288.33 1151.54,524.33 1150.54,525.33 1149.54,524.33 1004.54,524.33
  pour cut-out: 977.04,746.33 977.04,735.84 977.04,618.33 1264.54,618.33 1264.54,746.33
Layer 1 (plane layer: these items are gaps in the copper):
  lines w15: 718.03,432.16 719.52,433.64 ; 851.98,209.9 851.98,690.71 958.22,796.95 1328.92,796.95 1367.54,758.33 1367.54,147.42 1346.37,126.24 1281.54,126.24 1252.63,97.33 964.54,97.33 851.98,209.9
Layer 2 (plane layer: these items are gaps in the copper):
  region: 2000,15.38 2000,1167.96 1371.7,1167.96 1371.7,15.38
  region: 1366.35,313.33 1366.35,529.33 977.67,529.33 977.67,313.33
  region: 1364.54,534.94 1364.54,815.33 968.84,815.33 968.84,534.94
  lines w15: 150.5,6.84 150.5,85.58 150.5,189.03 245.01,188.4 244.99,88.33 607.9,88.33 623.01,103.44 623.01,188.09 580.54,230.56 581.25,355.4 581.25,390.33 579.75,458.05 557.75,480.05 278.16,475.69 278.16,512.3 304.44,538.59 411.06,538.59 502.23,538.59 466.7,573.77 425.2,573.77 425.2,620.33 425.2,672.01 584.35,836.68 622.95,837.33 ; 513.77,995.9 524.05,1005.89 ; 615.44,837.33 663.54,837.33 663.54,981.89 793.54,981.89 793.54,1086.33 827.67,1086.33 973.54,1084.37 1349.54,1083.38 ; 799.84,6.84 801.54,194.33 744.54,192.33 694.72,247.33 694.48,279.2 694.87,351.33 859.54,351.33 859.54,698.28 976.6,815.33 ; 863.33,405.39 919.85,405.39 919.49,362.33 973.12,362.33 974.16,534.94 1364.54,534.94 ; 973.54,815.36 1366.35,815.36 1366.35,794.33 1366.35,2.57 ; 1349.54,1085.33 1349.54,1168.33 ; 1370.23,1184.74 1411.33,1179.72 ; 278.61,874.24 324.69,831.33 491.54,831.33 524.05,863.84 524.05,995.75 466.71,996.57 455.52,985.37 455.59,900.17 367.33,899.17 366.43,986.66 356.46,996.42 347.54,996.33 308.65,997.33 297.65,1008.33 278.62,1008.33 278.62,959.41 278.61,874.24

## Silkscreen, mask and mechanical layers (free items; w line width, h text height)
Top Overlay:
  drawing of 2903 lines, arcs and shapes, not listed
  text "RESET" at 615.48,1078.6 h80
  text "LCD" at 1253.54,885.07 h80 r90
  text "POWER" at 260.76,831.52 h90
  text "USB HS PHY" at 559.71,755 h80
  text "CORE" at 437,674.42 h90
  text ":oyjy" at 1947.9,560.4 h40 r90
  text "IO BUS" at 126.67,374.19 h80
  text "2.4GHz TRX" at 800,64 h80
Bottom Assembly:
  lines w15: 1274.54,6.88 1274.54,1187.67 1785.54,1187.2 1785.54,6.42 1274.54,6.88
Mechanical 13:
  lines w10: 146.5,778.22 ccw(c146.5,778.22) 146.5,778.22 ; 146.5,778.22 cw(c146.5,758.54) 166.18,758.54 166.18,738.85 ; 146.5,778.22 8.7,778.22 8.7,1103.03 95.31,1103.03 ccw(c95.31,1142.4) 134.68,1142.4 134.68,1187.67 2013.9,1187.67 2013.9,6.42 134.68,6.42 134.68,51.84 ccw(c95.31,51.84) 95.31,91.21 8.7,91.21 8.7,719.17 146.5,719.17 ccw(c146.5,738.85) 166.18,738.85 ; 166.18,738.85 ccw(c166.18,738.85) 166.18,738.85